# Allegro board AB9.brd (continued)
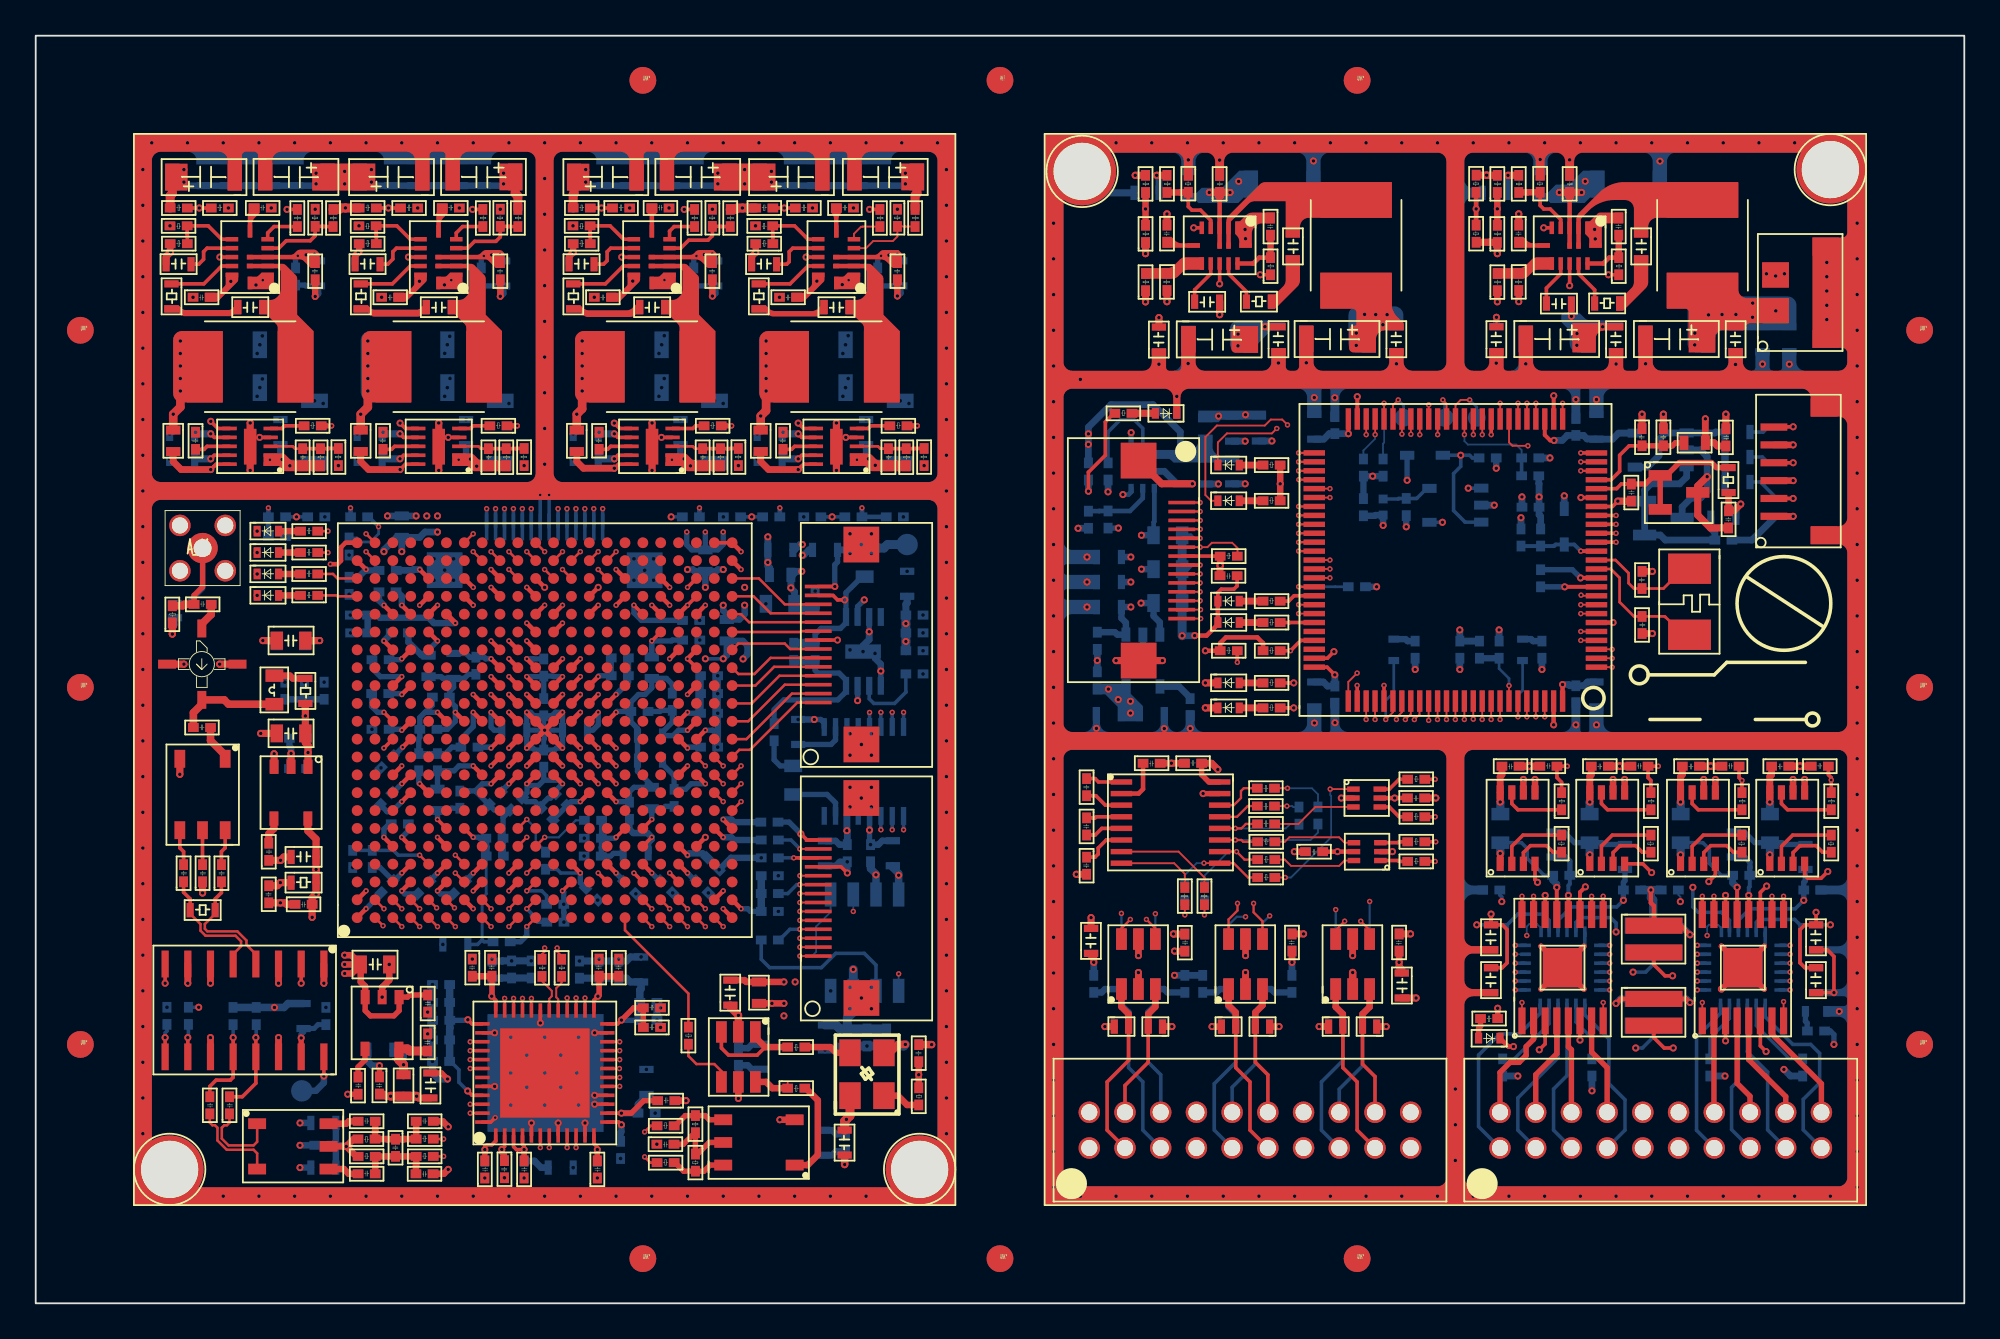
[diagram p0: board, top side]
## Footprints (pads in the part's own frame, mm; a bottom-side part is the same pattern mirrored in y, then rotated)
C0402
  rect 0.6x0.5 smd: 1(0.01,0.25) 2(0.97,0.25)
C0603
  rect 0.4x0.8 smd: 1(0.1,0.4) 2(1.5,0.4)
C0805
  rect 0.7x1 smd: 1(0.2,0.62) 2(1.8,0.62)
C1206
  rect 0.8x1.5 smd: 1(-0.15,0.79) 2(3.35,0.79)
CD54-IND-2P
  rect 2x4 smd: 1(0,2.54) 2(5.08,2.54)
CRY5032
  rect 1.7x2.4 smd: 1(0.66,1.51) 2(4.36,1.51)
DF1006
  rect 0.4x0.8 smd: 1(0.1,0.3) 2(0.9,0.3)
ERA-2SM
  rect 1x0.5 smd: 1(-2,0) 3(2,0)
  rect 0.5x1 smd: 2(0,-1.945) 4(0,2)
FB0402
  rect 0.5x0.5 smd: 1(0.05,0.24) 2(0.95,0.24)
FB0603
  rect 0.5x0.8 smd: 1(0.2,0.4) 2(1.4,0.4)
FBGA-484
  round 0.6 smd: A1(0,0) A2(1,0) A3(2,0) A4(3,0) A5(4,0) A6(5,0) A7(6,0) A8(7,0) A9(8,0) A10(9,0) A11(10,0) A12(11,0) A13(12,0) A14(13,0) A15(14,0) A16(15,0) A17(16,0) A18(17,0) A19(18,0) A20(19,0) A21(20,0) A22(21,0) AA1(0,-20) AA2(1,-20) AA3(2,-20) AA4(3,-20) AA5(4,-20) AA6(5,-20) AA7(6,-20) AA8(7,-20) AA9(8,-20) AA10(9,-20) AA11(10,-20) AA12(11,-20) AA13(12,-20) AA14(13,-20) AA15(14,-20) AA16(15,-20) AA17(16,-20) AA18(17,-20) AA19(18,-20) AA20(19,-20) AA21(20,-20) AA22(21,-20) AB1(0,-21) AB2(1,-21) AB3(2,-21) AB4(3,-21) AB5(4,-21) AB6(5,-21) AB7(6,-21) AB8(7,-21) AB9(8,-21) AB10(9,-21) AB11(10,-21) AB12(11,-21) AB13(12,-21) AB14(13,-21) AB15(14,-21) AB16(15,-21) AB17(16,-21) AB18(17,-21) AB19(18,-21) AB20(19,-21) AB21(20,-21) AB22(21,-21) B1(0,-1) B2(1,-1) B3(2,-1) B4(3,-1) B5(4,-1) B6(5,-1) B7(6,-1) B8(7,-1) B9(8,-1) B10(9,-1) B11(10,-1) B12(11,-1) B13(12,-1) B14(13,-1) B15(14,-1) B16(15,-1) B17(16,-1) B18(17,-1) B19(18,-1) B20(19,-1) B21(20,-1) B22(21,-1) C1(0,-2) C2(1,-2) C3(2,-2) C4(3,-2) C5(4,-2) C6(5,-2) C7(6,-2) C8(7,-2) C9(8,-2) C10(9,-2) C11(10,-2) C12(11,-2) C13(12,-2) C14(13,-2) C15(14,-2) C16(15,-2) C17(16,-2) C18(17,-2) C19(18,-2) C20(19,-2) C21(20,-2) C22(21,-2) D1(0,-3) D2(1,-3) D3(2,-3) D4(3,-3) D5(4,-3) D6(5,-3) D7(6,-3) D8(7,-3) D9(8,-3) D10(9,-3) D11(10,-3) D12(11,-3) D13(12,-3) D14(13,-3) D15(14,-3) D16(15,-3) D17(16,-3) D18(17,-3) D19(18,-3) D20(19,-3) D21(20,-3) D22(21,-3) E1(0,-4) E2(1,-4) E3(2,-4) E4(3,-4) E5(4,-4) E6(5,-4) E7(6,-4) E8(7,-4) E9(8,-4) E10(9,-4) E11(10,-4) E12(11,-4) E13(12,-4) E14(13,-4) E15(14,-4) E16(15,-4) E17(16,-4) E18(17,-4) E19(18,-4) E20(19,-4) E21(20,-4) E22(21,-4) F1(0,-5) F2(1,-5) F3(2,-5) F4(3,-5) F5(4,-5) F6(5,-5) F7(6,-5) F8(7,-5) F9(8,-5) F10(9,-5) F11(10,-5) F12(11,-5) F13(12,-5) F14(13,-5) F15(14,-5) F16(15,-5) F17(16,-5) F18(17,-5) F19(18,-5) F20(19,-5) F21(20,-5) F22(21,-5) G1(0,-6) G2(1,-6) G3(2,-6) G4(3,-6) G5(4,-6) G6(5,-6) G7(6,-6) G8(7,-6) G9(8,-6) G10(9,-6) G11(10,-6) G12(11,-6) G13(12,-6) G14(13,-6) G15(14,-6) G16(15,-6) G17(16,-6) G18(17,-6) G19(18,-6) G20(19,-6) G21(20,-6) G22(21,-6) H1(0,-7) H2(1,-7) H3(2,-7) H4(3,-7) H5(4,-7) H6(5,-7) H7(6,-7) H8(7,-7) H9(8,-7) H10(9,-7) H11(10,-7) H12(11,-7) H13(12,-7) H14(13,-7) H15(14,-7) H16(15,-7) H17(16,-7) H18(17,-7) H19(18,-7) H20(19,-7) H21(20,-7) H22(21,-7) J1(0,-8) J2(1,-8) J3(2,-8) J4(3,-8) J5(4,-8) J6(5,-8) J7(6,-8) J8(7,-8) J9(8,-8) J10(9,-8) J11(10,-8) J12(11,-8) J13(12,-8) J14(13,-8) J15(14,-8) J16(15,-8) J17(16,-8) J18(17,-8) J19(18,-8) J20(19,-8) J21(20,-8) J22(21,-8) K1(0,-9) K2(1,-9) K3(2,-9) K4(3,-9) K5(4,-9) K6(5,-9) K7(6,-9) K8(7,-9) K9(8,-9) K10(9,-9) K11(10,-9) K12(11,-9) K13(12,-9) K14(13,-9) K15(14,-9) K16(15,-9) K17(16,-9) K18(17,-9) K19(18,-9) K20(19,-9) K21(20,-9) K22(21,-9) L1(0,-10) L2(1,-10) L3(2,-10) L4(3,-10) L5(4,-10) L6(5,-10) L7(6,-10) L8(7,-10) L9(8,-10) L10(9,-10) L11(10,-10) L12(11,-10) L13(12,-10) L14(13,-10) L15(14,-10) L16(15,-10) L17(16,-10) L18(17,-10) L19(18,-10) L20(19,-10) L21(20,-10) L22(21,-10) M1(0,-11) M2(1,-11) M3(2,-11) M4(3,-11) M5(4,-11) M6(5,-11) M7(6,-11) M8(7,-11) M9(8,-11) M10(9,-11) M11(10,-11) M12(11,-11) M13(12,-11) M14(13,-11) M15(14,-11) M16(15,-11) M17(16,-11) M18(17,-11) M19(18,-11) M20(19,-11) M21(20,-11) M22(21,-11) N1(0,-12) N2(1,-12) N3(2,-12) N4(3,-12) N5(4,-12) N6(5,-12) N7(6,-12) N8(7,-12) N9(8,-12) N10(9,-12) N11(10,-12) N12(11,-12) N13(12,-12) N14(13,-12) N15(14,-12) N16(15,-12) N17(16,-12) N18(17,-12) N19(18,-12) N20(19,-12) N21(20,-12) N22(21,-12) P1(0,-13) P2(1,-13) P3(2,-13) P4(3,-13) P5(4,-13) P6(5,-13) P7(6,-13) P8(7,-13) P9(8,-13) P10(9,-13) P11(10,-13) P12(11,-13) P13(12,-13) P14(13,-13) P15(14,-13) P16(15,-13) P17(16,-13) P18(17,-13) P19(18,-13) P20(19,-13) P21(20,-13) P22(21,-13) R1(0,-14) R2(1,-14) R3(2,-14) R4(3,-14) R5(4,-14) R6(5,-14) R7(6,-14) R8(7,-14) R9(8,-14) R10(9,-14) R11(10,-14) R12(11,-14) R13(12,-14) R14(13,-14) R15(14,-14) R16(15,-14) R17(16,-14) R18(17,-14) R19(18,-14) R20(19,-14) R21(20,-14) R22(21,-14) T1(0,-15) T2(1,-15) T3(2,-15) T4(3,-15) T5(4,-15) T6(5,-15) T7(6,-15) T8(7,-15) T9(8,-15) T10(9,-15) T11(10,-15) T12(11,-15) T13(12,-15) T14(13,-15) T15(14,-15) T16(15,-15) T17(16,-15) T18(17,-15) T19(18,-15) T20(19,-15) T21(20,-15) T22(21,-15) U1(0,-16) U2(1,-16) U3(2,-16) U4(3,-16) U5(4,-16) U6(5,-16) U7(6,-16) U8(7,-16) U9(8,-16) U10(9,-16) U11(10,-16) U12(11,-16) U13(12,-16) U14(13,-16) U15(14,-16) U16(15,-16) U17(16,-16) U18(17,-16) U19(18,-16) U20(19,-16) U21(20,-16) U22(21,-16) V1(0,-17) V2(1,-17) V3(2,-17) V4(3,-17) V5(4,-17) V6(5,-17) V7(6,-17) V8(7,-17) V9(8,-17) V10(9,-17) V11(10,-17) V12(11,-17) V13(12,-17) V14(13,-17) V15(14,-17) V16(15,-17) V17(16,-17) V18(17,-17) V19(18,-17) V20(19,-17) V21(20,-17) V22(21,-17) W1(0,-18) W2(1,-18) W3(2,-18) W4(3,-18) W5(4,-18) W6(5,-18) W7(6,-18) W8(7,-18) W9(8,-18) W10(9,-18) W11(10,-18) W12(11,-18) W13(12,-18) W14(13,-18) W15(14,-18) W16(15,-18) W17(16,-18) W18(17,-18) W19(18,-18) W20(19,-18) W21(20,-18) W22(21,-18) Y1(0,-19) Y2(1,-19) Y3(2,-19) Y4(3,-19) Y5(4,-19) Y6(5,-19) Y7(6,-19) Y8(7,-19) Y9(8,-19) Y10(9,-19) Y11(10,-19) Y12(11,-19) Y13(12,-19) Y14(13,-19) Y15(14,-19) Y16(15,-19) Y17(16,-19) Y18(17,-19) Y19(18,-19) Y20(19,-19) Y21(20,-19) Y22(21,-19)
FPC-14P-0D5
  rect 0.2x1.5 smd: 1(-3.251,3.479) 2(-2.751,3.479) 3(-2.251,3.479) 4(-1.751,3.479) 5(-1.251,3.479) 6(-0.751,3.479) 7(-0.251,3.479) 8(0.249,3.479) 9(0.749,3.479) 10(1.249,3.479) 11(1.749,3.479) 12(2.249,3.479) 13(2.749,3.479) 14(3.249,3.479)
  rect 2x2 smd: M1(-5.6,1.06) M2(5.6,1.066)
HTSSOP-16
  rect 1.5x0.4 smd: 1(-2.98,2.27) 2(-2.98,1.62) 3(-2.98,0.97) 4(-2.98,0.32) 5(-2.98,-0.33) 6(-2.98,-0.98) 7(-2.98,-1.63) 8(-2.98,-2.28) 9(2.97,-2.28) 10(2.97,-1.63) 11(2.97,-0.98) 12(2.97,-0.33) 13(2.97,0.32) 14(2.97,0.97) 15(2.97,1.62) 16(2.97,2.27)
  rect 2.2x2.2 smd: 17(0,0)
L0805
  rect 0.7x1 smd: 1(0.2,0.62) 2(1.8,0.62)
LED0402
  rect 0.4x0.6 smd: 1(-0.1,0.25) 2(1.1,0.25)
LQFP-100
  rect 0.3x1.2 smd: 1(-6.003,-7.901) 2(-5.503,-7.901) 3(-5.003,-7.901) 4(-4.503,-7.901) 5(-4.003,-7.901) 6(-3.503,-7.901) 7(-3.003,-7.901) 8(-2.503,-7.901) 9(-2.003,-7.901) 10(-1.503,-7.901) 11(-1.003,-7.901) 12(-0.503,-7.901) 13(-0.003,-7.901) 14(0.497,-7.901) 15(0.997,-7.901) 16(1.497,-7.901) 17(1.997,-7.901) 18(2.497,-7.901) 19(2.997,-7.901) 20(3.497,-7.901) 21(3.997,-7.901) 22(4.497,-7.901) 23(4.997,-7.901) 24(5.497,-7.901) 25(5.997,-7.901) 51(5.998,7.901) 52(5.498,7.901) 53(4.998,7.901) 54(4.498,7.901) 55(3.998,7.901) 56(3.498,7.901) 57(2.998,7.901) 58(2.498,7.901) 59(1.998,7.901) 60(1.498,7.901) 61(0.998,7.901) 62(0.498,7.901) 63(-0.002,7.901) 64(-0.502,7.901) 65(-1.002,7.901) 66(-1.502,7.901) 67(-2.002,7.901) 68(-2.502,7.901) 69(-3.002,7.901) 70(-3.502,7.901) 71(-4.002,7.901) 72(-4.502,7.901) 73(-5.002,7.901) 74(-5.502,7.901) 75(-6.002,7.901)
  rect 1.2x0.3 smd: 26(7.9,-6.007) 27(7.9,-5.507) 28(7.9,-5.007) 29(7.9,-4.507) 30(7.9,-4.007) 31(7.9,-3.507) 32(7.9,-3.007) 33(7.9,-2.507) 34(7.9,-2.007) 35(7.9,-1.507) 36(7.9,-1.007) 37(7.9,-0.507) 38(7.9,-0.007) 39(7.9,0.493) 40(7.9,0.993) 41(7.9,1.493) 42(7.9,1.993) 43(7.9,2.493) 44(7.9,2.993) 45(7.9,3.493) 46(7.9,3.993) 47(7.9,4.493) 48(7.9,4.993) 49(7.9,5.493) 50(7.9,5.993) 76(-7.902,5.997) 77(-7.902,5.497) 78(-7.902,4.997) 79(-7.902,4.497) 80(-7.902,3.997) 81(-7.902,3.497) 82(-7.902,2.997) 83(-7.902,2.497) 84(-7.902,1.997) 85(-7.902,1.497) 86(-7.902,0.997) 87(-7.902,0.497) 88(-7.902,-0.003) 89(-7.902,-0.503) 90(-7.902,-1.003) 91(-7.902,-1.503) 92(-7.902,-2.003) 93(-7.902,-2.503) 94(-7.902,-3.003) 95(-7.902,-3.503) 96(-7.902,-4.003) 97(-7.902,-4.503) 98(-7.902,-5.003) 99(-7.902,-5.503) 100(-7.902,-6.003)
MSOP-8
  rect 0.4x0.8 smd: 1(0.63,0.58) 2(1.28,0.58) 3(1.93,0.58) 4(2.58,0.58) 5(2.58,4.58) 6(1.93,4.58) 7(1.28,4.58) 8(0.63,4.58)
MSOP-8-PAD
  rect 0.35x1 smd: 1(-0.001,-3.615) 2(0.649,-3.615) 3(1.299,-3.615) 4(1.949,-3.615) 5(1.949,0.241) 6(1.299,0.241) 7(0.649,0.241) 8(-0.001,0.241)
  rect 2x0.8 smd: 9(0.995,-1.694)
PHB2D0MM-2X10P-VER
  round 1.2 hole 0.9: 1(0,-2) 2(2,-2) 3(4,-2) 4(6,-2) 5(8,-2) 6(10,-2) 7(12,-2) 8(14,-2) 9(16,-2) 10(18,-2) 11(18,0) 12(16,0) 13(14,0) 14(12,0) 15(10,0) 16(8,0) 17(6,0) 18(4,0) 19(2,0) 20(0,0)
QFN-14
  rect 0.7x0.25 smd: 1(-0.99,1) 2(-0.99,0.5) 3(-0.99,0) 4(-0.99,-0.5) 5(-0.99,-1) 7(1.01,-1) 8(1.01,-0.5) 9(1.01,0) 10(1.01,0.5) 11(1.01,1)
  rect 0.25x0.7 smd: 6(0,-1.45) 12(0,1.45)
  rect 0.35x0.25 smd: 13(0,0.5) 14(0,0)
QFN-48
  rect 0.8x0.2 smd: 1(-3.5,2.75) 2(-3.5,2.25) 3(-3.5,1.75) 4(-3.5,1.25) 5(-3.5,0.75) 6(-3.5,0.25) 7(-3.5,-0.25) 8(-3.5,-0.75) 9(-3.5,-1.25) 10(-3.5,-1.75) 11(-3.5,-2.25) 12(-3.5,-2.75) 25(3.5,-2.75) 26(3.5,-2.25) 27(3.5,-1.75) 28(3.5,-1.25) 29(3.5,-0.75) 30(3.5,-0.25) 31(3.5,0.25) 32(3.5,0.75) 33(3.5,1.25) 34(3.5,1.75) 35(3.5,2.25) 36(3.5,2.75)
  rect 0.2x0.8 smd: 13(-2.75,-3.5) 14(-2.25,-3.5) 15(-1.75,-3.5) 16(-1.25,-3.5) 17(-0.75,-3.5) 18(-0.25,-3.5) 19(0.25,-3.5) 20(0.75,-3.5) 21(1.25,-3.5) 22(1.75,-3.5) 23(2.25,-3.5) 24(2.75,-3.5) 37(2.75,3.5) 38(2.25,3.5) 39(1.75,3.5) 40(1.25,3.5) 41(0.75,3.5) 42(0.25,3.5) 43(-0.25,3.5) 44(-0.75,3.5) 45(-1.25,3.5) 46(-1.75,3.5) 47(-2.25,3.5) 48(-2.75,3.5)
  rect 5x5 smd: 49(0,0)
R0402
  rect 0.6x0.5 smd: 1(0.01,0.25) 2(0.97,0.25)
R0603
  rect 0.4x0.8 smd: 1(0.1,0.4) 2(1.5,0.4)
R3216
  rect 3.2x0.9 smd: 1(1.62,1.95) 2(1.62,0.45)
SCREW-M3
  round 3.8 hole 3.2 unplated: (0,0)
SH1D0-SMD-VER-4P
  rect 0.4x1.5 smd: 1(1.5,3.47) 2(2.5,3.47) 3(3.5,3.47) 4(4.5,3.47)
  rect 1x1.5 smd: M1(0.42,0.65) M2(5.59,0.65)
SH1D0-SMD-VER-6P
  rect 0.4x1.5 smd: 1(1.48,3.46) 2(2.48,3.46) 3(3.48,3.46) 4(4.48,3.46) 5(5.48,3.46) 6(6.48,3.46)
  rect 1x1.5 smd: M1(0.42,0.65) M2(7.57,0.65)
SM-22
  rect 0.6x1 smd: 1(0.64,-0.1) 2(3.18,-0.1) 3(3.18,3.9) 4(1.91,3.9) 5(0.64,3.9)
SMA
  round 1.2 hole 0.9: 1(-1.27,-1.27) 2(1.27,-1.27) 3(1.27,1.27) 4(-1.27,1.27)
  round 1.7 hole 1: 5(0,0)
SO-8
  rect 0.65x1.35 smd: 1(0,-5.4) 2(1.27,-5.4) 3(2.54,-5.4) 4(3.81,-5.4) 5(3.81,0) 6(2.54,0) 7(1.27,0) 8(0,0)
SO-16
  rect 0.4x1.5 smd: 1(-4.437,-2.605) 2(-3.167,-2.605) 3(-1.897,-2.605) 4(-0.627,-2.605) 5(0.643,-2.605) 6(1.913,-2.605) 7(3.183,-2.605) 8(4.453,-2.605) 9(4.453,2.595) 10(3.183,2.595) 11(1.913,2.595) 12(0.643,2.595) 13(-0.627,2.595) 14(-1.897,2.595) 15(-3.167,2.595) 16(-4.437,2.595)
SOD-523F
  rect 0.5x0.8 smd: 1(0,0) 2(0,-2)
SOT-6
  rect 0.7x0.3 smd: 1(0,0) 2(0,-0.5) 3(0,-1) 4(1.48,-1) 5(1.48,-0.5) 6(1.48,0)
SOT-23-3
  rect 1.3x0.6 smd: 1(0.3,2.47) 2(0.3,0.57) 3(2.4,1.52)
SOT-23-5
  rect 0.5x0.8 smd: 1(-0.95,-1.45) 2(0,-1.45) 3(0.95,-1.45) 4(0.96,1.45) 5(-0.94,1.45)
SOT-23-6
  rect 1.2x0.6 smd: 1(0,0) 2(0,-0.95) 3(0,-1.9) 4(2.8,-1.9) 5(2.8,-0.95) 6(2.8,0)
SSOP-16
  rect 1x0.3 smd: 1(0.6,4.7) 2(0.6,4.065) 3(0.6,3.43) 4(0.6,2.795) 5(0.6,2.16) 6(0.6,1.525) 7(0.6,0.89) 8(0.6,0.255) 9(5.58,0.255) 10(5.58,0.89) 11(5.58,1.525) 12(5.58,2.16) 13(5.58,2.795) 14(5.58,3.43) 15(5.58,4.065) 16(5.58,4.7)
TP_SMD_CIR_1D0
  round 1 smd: 1(0,0)
TP_SMD_CIR_1D2
  round 1.2 smd: 1(0,0)
TSSOP-16
  rect 0.3x1.2 smd: 1(0,-5.5) 2(0.65,-5.5) 3(1.3,-5.5) 4(1.95,-5.5) 5(2.6,-5.5) 6(3.25,-5.5) 7(3.9,-5.5) 8(4.55,-5.5) 9(4.55,0) 10(3.9,0) 11(3.25,0) 12(2.6,0) 13(1.95,0) 14(1.3,0) 15(0.65,0) 16(0,0)
TSX-3225-4P
  rect 1.5x1.2 smd: 1(0.43,0.3) 2(2.83,0.3) 3(2.83,2.2) 4(0.43,2.2)
unnamed#2
  round 1.5 smd: (0,0)
VQFN-24
  rect 0.6x0.2 smd: 1(-2.03,1.25) 2(-2.03,0.75) 3(-2.03,0.25) 4(-2.03,-0.25) 5(-2.03,-0.75) 6(-2.03,-1.25) 13(2.01,-1.2) 14(2.01,-0.75) 15(2.01,-0.25) 16(2.01,0.25) 17(2.01,0.75) 18(2.01,1.25)
  rect 0.2x0.6 smd: 7(-1.25,-2.07) 8(-0.75,-2.07) 9(-0.25,-2.07) 10(0.25,-2.07) 11(0.75,-2.07) 12(1.25,-2.07) 19(1.25,2.07) 20(0.75,2.07) 21(0.25,2.07) 22(-0.25,2.07) 23(-0.75,2.07) 24(-1.25,2.07)
  rect 2.2x2.2 smd: 25(0,0)
WSON-6
  rect 0.5x0.3 smd: 1(-0.952,0.648) 2(-0.952,-0.002) 3(-0.952,-0.652) 4(0.948,-0.652) 5(0.948,-0.002) 6(0.948,0.648)
  rect 0.65x1.35 smd: 7(0,0)
WSON-10
  rect 0.8x0.2 smd: 1(0,0) 2(0,-0.5) 3(0,-1) 4(0,-1.5) 5(0,-2) 6(2.3,-2) 7(2.3,-1.5) 8(2.3,-1) 9(2.3,-0.5) 10(2.3,0)
  rect 0.7x2 smd: 11(1.15,-0.98)

## Nets
A_1V2_FPGA: A_C36.1 A_C112.2 A_C116.2 A_L15.2 A_R36.1 A_R43.1 A_U8.1 A_U8.2
A_2V0_FPGA: A_C120.2 A_C124.2 A_L8.2 A_U8.6(\SS_CTRL\) A_U8.7 A_U8.9 A_U8.10
A_2V0_FPGA_PWR: A_C16.1 A_C104.2 A_C108.2 A_L4.2 A_L8.1 A_R28.2
A_2V5_FPGA: A_C35.1 A_C113.2 A_C117.2 A_L13.1 A_R35.1 A_R41.1 A_U7.1 A_U7.2
A_3V3_BUCK_2V5: A_C15.1 A_C105.2 A_C109.2 A_L3.2 A_L7.1 A_R27.2
A_3V3_BUCK_2V5_IN: A_C121.2 A_C125.2 A_L7.2 A_U7.6(\SS_CTRL\) A_U7.7 A_U7.9 A_U7.10
A_3V3_FPGA: A_C34.1 A_C114.2 A_C118.2 A_L12.1 A_R34.1 A_R39.1 A_U6.1 A_U6.2
A_3V3_IF: A_C42.2 A_C47.2 A_R51.2 A_R88.2 A_R89.2 A_R90.2 A_U10.5(\OUT\)
A_4V0_BUCK_3V3: A_C122.2 A_C126.2 A_L6.2 A_U6.6(\SS_CTRL\) A_U6.7 A_U6.9 A_U6.10
A_4V0_BUCK_3V3_PWR: A_C14.1 A_C106.2 A_C110.2 A_L2.2 A_L6.1 A_R26.2
A_5V5_BUCK_5V_IN: A_C123.2 A_C127.2 A_L5.2 A_U5.6(\SS_CTRL\) A_U5.7 A_U5.9 A_U5.10
A_5V5_BUCK_5V_PWR: A_C13.1 A_C107.2 A_C111.2 A_L1.2 A_L5.1 A_R25.2
A_5V_FPGA: A_C33.1 A_C38.2 A_C40.2 A_C48.2 A_C54.2 A_C115.2 A_C119.2 A_C130.2 A_C145.2 A_C156.2 A_C157.2 A_C158.2 A_C172.2 A_C180.2 A_L14.1 A_R33.1 A_R37.1 A_R50.2 A_U5.1 A_U5.2 A_U10.1 A_U10.3 A_U12.1 A_U12.3
A_A_DEMP: A_U9.Y10 A_U16.13
A_A_FMT: A_U9.AA10 A_U16.15
A_A_MUTE: A_U9.AB9 A_U16.14
A_AD0: A_U9.Y2 A_U14.18
A_AD1: A_U9.Y1 A_U14.19
A_AD2: A_U9.W2 A_U14.20
A_AD3: A_U9.W1 A_U14.21
A_AD4: A_U9.V2 A_U14.22
A_AD5: A_U9.V1 A_U14.26
A_AD6: A_U9.U2 A_U14.27
A_AD7: A_U9.U1 A_U14.28
A_AD8: A_U9.H2 A_U14.32
A_AD9: A_U9.H1 A_U14.33
A_AD10: A_U9.F2 A_U14.34
A_AD11: A_U9.F1 A_U14.35
A_AD12: A_U9.E1 A_U14.39
A_AD13: A_U9.D2 A_U14.40
A_AD14: A_U9.C2 A_U14.41
A_AD15: A_U9.C1 A_U14.42
A_AD_CLKN: A_R54.2 A_U9.G3
A_AD_CLKP: A_R53.2 A_U9.G4
A_AD_DITH: A_U9.AA1 A_U14.17
A_AD_PGA: A_U9.B1 A_U14.47
A_AD_RAND: A_U9.B2 A_U14.46
A_ADC_3V3: A_C60.2 A_C61.2 A_C62.2 A_C70.2 A_C72.2 A_C73.2 A_C237.2 A_C238.2 A_C243.2 A_C244.2 A_C246.2 A_C247.2 A_C248.2 A_L11.2 A_U14.1 A_U14.3 A_U14.4(\VDD#4\) A_U14.12 A_U14.13 A_U14.14
A_AIN+: A_R62.1 A_U14.6
A_AIN-: A_R64.1 A_U14.7
A_ASDO: A_J3.1 A_U9.D1 A_U17.5
A_AUDIO_5V: A_C133.1 A_C136.2 A_C137.2 A_C138.2 A_C141.2 A_C146.2 A_C196.1 A_C197.2 A_L14.2 A_U15.3 A_U15.6 A_U16.6
A_AUDIO_OUT: A_C131.2 A_J2.14 A_R76.2 A_TP3.1(\TP\)
A_CLK2FPGA: A_R55.2 A_U9.T1
A_CLK_3V3: A_C58.2 A_C67.2 A_C234.2 A_C235.2 A_C240.2 A_C241.2 A_L10.2 A_R58.2 A_U13.5(\VCC\) A_Y1.4(\VCC\)
A_CLKO+: A_R53.1 A_U14.30
A_CLKO-: A_R54.1 A_U14.29
A_CONF_DONE: A_J3.13 A_R80.1 A_U9.M18
A_DATA0: A_J3.4 A_R86.1 A_U9.K1
A_DCLK: A_J3.3 A_U9.K2 A_U17.6
A_ENC+: A_R65.2 A_U14.9
A_ENC-: A_R60.2 A_U14.10
A_FPGA_RST_ARM: A_J2.4 A_U9.AB13
A_FPGA_RST_MCU: A_J2.5 A_U9.AB14
A_FPGA_SPI_CS: A_J2.12 A_U9.AB20
A_FPGA_SPI_MISO: A_J2.10 A_U9.AB18
A_FPGA_SPI_MOSI: A_J2.9 A_U9.AB17
A_FPGA_SPI_SCLK: A_J2.11 A_U9.AB19
A_FPGA_UART2_RXD: A_J2.6 A_U9.AB15
A_FPGA_UART2_TXD: A_J2.7 A_U9.AB16
A_FPGA_UART_RXD: A_J2.2 A_U9.AB11
A_FPGA_UART_TXD: A_J2.1 A_U9.AB10
A_GND: A_A1.2 A_A1.4 A_C1.1 A_C2.1 A_C3.1 A_C4.1 A_C5.1 A_C6.1 A_C7.1 A_C8.1 A_C9.1 A_C10.1 A_C11.1 A_C12.1 A_C17.2 A_C18.2 A_C19.2 A_C20.2 A_C21.1 A_C22.1 A_C23.1 A_C24.1 A_C29.1 A_C30.1 A_C31.1 A_C32.1 A_C38.1 A_C40.1 A_C41.1 A_C42.1 A_C44.1 A_C46.2 A_C47.1 A_C48.1 A_C49.1 A_C50.1 A_C51.1 A_C52.1 A_C53.1 A_C54.1 A_C55.1 A_C56.1 A_C57.1 A_C58.1 A_C59.1 A_C60.1 A_C61.1 A_C62.1 A_C66.1 A_C67.1 A_C68.1 A_C70.1 A_C71.2 A_C72.1 A_C73.1 A_C75.2 A_C76.1 A_C77.1 A_C78.1 A_C79.1 A_C80.1 A_C81.1 A_C82.1 A_C83.1 A_C84.1 A_C85.1 A_C86.1 A_C87.1 A_C88.1 A_C89.1 A_C90.1 A_C91.1 A_C92.1 A_C93.1 A_C94.1 A_C95.1 A_C96.1 A_C97.1 A_C98.1 A_C99.1 A_C100.2 A_C101.2 A_C102.2 A_C103.2 A_C104.1 A_C105.1 A_C106.1 A_C107.1 A_C108.1 A_C109.1 A_C110.1 A_C111.1 A_C112.1 A_C113.1 A_C114.1 A_C115.1 A_C116.1 A_C117.1 A_C118.1 A_C119.1 A_C120.1 A_C121.1 A_C122.1 A_C123.1 A_C124.1 A_C125.1 A_C126.1 A_C127.1 A_C128.1 A_C129.1 A_C130.1 A_C132.1 A_C133.2 A_C134.1 A_C135.1 A_C136.1 A_C137.1 A_C138.1 A_C139.1 A_C140.2 A_C141.1 A_C142.1 A_C143.2 A_C144.1 A_C145.1 A_C146.1 A_C148.1 A_C149.2 A_C150.1 A_C151.1 A_C152.1 A_C153.1 A_C154.1 A_C155.1 A_C156.1 A_C157.1 A_C158.1 A_C159.1 A_C160.1 A_C161.1 A_C162.1 A_C163.1 A_C164.1 A_C165.1 A_C166.1 A_C167.2 A_C168.1 A_C169.1 A_C170.1 A_C171.1 A_C172.1 A_C173.1 A_C174.1 A_C175.1 A_C176.1 A_C177.2 A_C178.1 A_C179.1 A_C180.1 A_C182.1 A_C183.1 A_C184.1 A_C185.1 A_C186.1 A_C187.1 A_C188.1 A_C189.1 A_C190.1 A_C191.1 A_C192.2 A_C193.2 A_C194.1 A_C195.1 A_C196.2 A_C197.1 A_C198.1 A_C199.1 A_C200.1 A_C201.2 A_C202.1 A_C203.1 A_C204.1 A_C205.1 A_C206.1 A_C207.2 A_C208.2 A_C209.1 A_C210.1 A_C211.1 A_C212.1 A_C213.1 A_C214.1 A_C215.2 A_C216.2 A_C217.2 A_C218.1 A_C219.1 A_C220.2 A_C221.1 A_C222.1 A_C223.1 A_C224.2 A_C226.1 A_C227.2 A_C228.1 A_C229.1 A_C230.1 A_C231.1 A_C232.1 A_C233.1 A_C234.1 A_C235.1 A_C236.1 A_C237.1 A_C238.1 A_C239.2 A_C240.1 A_C241.1 A_C242.2 A_C243.1 A_C244.1 A_C245.2 A_C246.1 A_C247.1 A_C248.1 A_D1.1(\CATHODE\) A_D2.1(\CATHODE\) A_D3.1(\CATHODE\) A_D4.1(\CATHODE\) A_D5.1 A_J1.1 A_J1.2 A_J1.3 A_J1.4 A_J2.8 A_J2.13 A_J2.M1 A_J2.M2(\M2\) A_J3.11 A_J3.M1 A_J3.M2(\M2\) A_J4.7 A_J4.8 A_J4.M1 A_J4.M2(\M2\) A_R2.1 A_R4.1 A_R6.1 A_R8.1 A_R10.1 A_R13.1 A_R16.1 A_R19.1 A_R21.1 A_R22.1 A_R23.1 A_R24.1 A_R38.2 A_R40.2 A_R42.2 A_R44.2 A_R49.1 A_R68.1 A_R70.1 A_R73.1 A_R75.1 A_R76.1 A_R84.2 A_R85.1 A_R91.1 A_T1.2 A_T2.2 A_U1.1 A_U1.12 A_U2.1 A_U2.12 A_U3.1 A_U3.12 A_U4.1 A_U4.12 A_U5.4 A_U5.11 A_U6.4 A_U6.11 A_U7.4 A_U7.11 A_U8.4 A_U8.11 A_U9.A1 A_U9.A22 A_U9.AA2 A_U9.AA22 A_U9.AB1 A_U9.AB6 A_U9.AB22 A_U9.C5 A_U9.C9 A_U9.C11 A_U9.C12 A_U9.C14 A_U9.C16 A_U9.C18 A_U9.D3 A_U9.D8 A_U9.E18 A_U9.E20 A_U9.F3 A_U9.F5 A_U9.F12 A_U9.G2 A_U9.G20 A_U9.H3 A_U9.H12 A_U9.H13 A_U9.J9 A_U9.J15 A_U9.J19 A_U9.K3 A_U9.K10 A_U9.K11 A_U9.K12 A_U9.K13 A_U9.K16 A_U9.L10 A_U9.L11 A_U9.L12 A_U9.L13 A_U9.L15 A_U9.L20 A_U9.M10 A_U9.M11 A_U9.M12 A_U9.M13 A_U9.N3 A_U9.N10 A_U9.N11 A_U9.N12 A_U9.N13 A_U9.N15 A_U9.P8 A_U9.P19 A_U9.R3 A_U9.R9 A_U9.R11 A_U9.R13 A_U9.T20 A_U9.U3 A_U9.U5 A_U9.V18 A_U9.V20 A_U9.W3 A_U9.Y5 A_U9.Y9 A_U9.Y11 A_U9.Y12 A_U9.Y15 A_U9.Y16 A_U9.Y18 A_U9.Y20 A_U10.2 A_U11.1 A_U11.3 A_U11.6 A_U11.7 A_U11.11 A_U11.14 A_U12.2 A_U13.2 A_U14.5 A_U14.8 A_U14.11 A_U14.15 A_U14.16 A_U14.23 A_U14.31 A_U14.38 A_U14.44 A_U14.48 A_U14.49 A_U15.1 A_U15.7 A_U15.9 A_U16.4 A_U16.9 A_U17.4 A_Y1.2
A_I2S_BCK: A_U9.AA9 A_U16.1
A_I2S_DATA: A_U9.AB7 A_U16.2
A_I2S_LRCK: A_U9.AA8 A_U16.3
A_I2S_SCK: A_U9.AB8 A_U16.16
A_IO: A_U9.AA4
A_IO1: A_J4.1 A_U9.R21
A_IO2: A_J4.2 A_U9.R20
A_IO3: A_J4.3 A_U9.P21
A_IO4: A_J4.4 A_U9.N21
A_IO5: A_J4.5 A_U9.M21
A_IO6: A_J4.6 A_U9.N20
A_IO7: A_J4.9 A_U9.M20
A_IO8: A_J4.10 A_U9.L21
A_IO9: A_J4.11 A_U9.K21
A_IO10: A_J4.12 A_U9.J21
A_IO11: A_J4.13 A_U9.H21
A_IO12: A_J4.14 A_U9.G22
A_LDO_3V3: A_C57.2 A_C233.2 A_L11.1 A_U12.5(\OUT\)
A_LED1: A_R45.1 A_U9.B22
A_LED2: A_R46.1 A_U9.B21
A_LED3: A_R47.1 A_U9.A20
A_LED4: A_R48.1 A_U9.A19
A_MSEL0: A_R67.1 A_R68.2 A_U9.M17
A_MSEL1: A_R69.1 A_R70.2 A_U9.L18
A_MSEL2: A_R73.2 A_R74.1 A_U9.L17
A_MSEL3: A_R72.1 A_R75.2 A_U9.K20
A_N7424382: A_C147.1 A_R77.1 A_R78.2 A_U15.4
A_N7424390: A_C131.1 A_C147.2 A_R77.2 A_U15.5
A_N7424650: A_C170.2 A_U16.10
A_N7424654: A_C181.1 A_U16.7
A_N7424662: A_C181.2 A_R78.1
A_N7424742: A_C153.2 A_U15.2
A_N7454523: A_R86.2 A_U17.2
A_N7455499: A_D1.2 A_R45.2
A_N7455557: A_D2.2 A_R46.2
A_N7467286: A_C202.2 A_R81.2 A_U9.E4
A_N7498655: A_C59.2 A_U12.4
A_N7538451: A_R71.1 A_U9.L22
A_N7578107: A_C37.2 A_D5.2 A_J1.5 A_R49.2
A_N7578654: A_A1.1 A_C37.1
A_N7578935: A_A1.3(\OUT\) A_C39.2 A_L9.1
A_N7579108: A_L9.2 A_R50.1
A_N7579398: A_C39.1 A_T1.1
A_N7579484: A_C44.2 A_T1.4
A_N7579488: A_C43.2 A_T1.3
A_N7579492: A_C45.2 A_T1.5
A_N7580116: A_C46.1 A_R51.1 A_U11.2 A_U11.8
A_N7580344: A_R91.2 A_U11.9
A_N7580738: A_C225.2 A_U11.10
A_N7580852: A_C224.1 A_R88.1 A_U11.15(\VPS2\)
A_N7581076: A_C64.2 A_R89.1 A_U11.13
A_N7581083: A_C63.2 A_R90.1 A_U11.12
A_N7581273: A_C65.2 A_T3.5
A_N7581277: A_C74.2 A_T3.3
A_N7581373: A_C69.2 A_C74.1 A_C75.1 A_R63.1 A_R64.2
A_N7581387: A_C65.1 A_C66.2 A_C69.1 A_R61.2 A_R62.2
A_N7586253: A_R58.1 A_Y1.1
A_N7586496: A_R56.2 A_Y1.3
A_N7586806: A_R56.1 A_U13.1 A_U13.3
A_N7587007: A_R55.1 A_U13.4
A_N7587454: A_R57.1 A_U13.6
A_N7587591: A_R57.2 A_T2.1
A_N7587990: A_C68.2 A_R59.2 A_R66.1 A_T2.4
A_N7588005: A_R65.1 A_R66.2 A_T2.5
A_N7588017: A_R59.1 A_R60.1 A_T2.3
A_N7598294: A_C41.2 A_U10.4
A_N7921484: A_D3.2 A_R47.2
A_N8196940: A_R10.2 A_R11.1 A_U1.4
A_N8196944: A_R1.1 A_R2.2 A_U1.9
A_N8196950: A_C21.2 A_R9.2 A_U1.11
A_N8196956: A_R9.1 A_U1.5
A_N8196998: A_C9.2 A_U1.6
A_N8197004: A_R29.1 A_U1.10
A_N8197008: A_C25.1 A_L1.1 A_U1.2 A_U1.13
A_N8197018: A_C25.2 A_R29.2
A_N8197022: A_C13.2 A_U1.8
A_N8197032: A_R21.2 A_R25.1 A_U1.7
A_N8197074: A_R30.1 A_U2.10
A_N8197078: A_C26.2 A_R30.2
A_N8197098: A_C26.1 A_L2.1 A_U2.2 A_U2.13
A_N8197146: A_R13.2 A_R14.1 A_U2.4
A_N8197148: A_R3.1 A_R4.2 A_U2.9
A_N8197154: A_C14.2 A_U2.8
A_N8197166: A_R22.2 A_R26.1 A_U2.7
A_N8197176: A_C22.2 A_R12.2 A_U2.11
A_N8197182: A_C10.2 A_U2.6
A_N8197194: A_R12.1 A_U2.5
A_N8197218: A_R31.1 A_U3.10
A_N8197222: A_C27.2 A_R31.2
A_N8197242: A_C27.1 A_L3.1 A_U3.2 A_U3.13
A_N8197290: A_R16.2 A_R17.1 A_U3.4
A_N8197292: A_R5.1 A_R6.2 A_U3.9
A_N8197298: A_C15.2 A_U3.8
A_N8197310: A_R23.2 A_R27.1 A_U3.7
A_N8197320: A_C23.2 A_R15.2 A_U3.11
A_N8197326: A_C11.2 A_U3.6
A_N8197338: A_R15.1 A_U3.5
A_N8197362: A_R32.1 A_U4.10
A_N8197366: A_C28.2 A_R32.2
A_N8197386: A_C28.1 A_L4.1 A_U4.2 A_U4.13
A_N8197434: A_R19.2 A_R20.1 A_U4.4
A_N8197436: A_R7.1 A_R8.2 A_U4.9
A_N8197442: A_C16.2 A_U4.8
A_N8197454: A_R24.2 A_R28.1 A_U4.7
A_N8197464: A_C24.2 A_R18.2 A_U4.11
A_N8197470: A_C12.2 A_U4.6
A_N8197482: A_R18.1 A_U4.5
A_N9038018: A_D4.2 A_R48.2
A_N9064761: A_C32.2 A_U8.8
A_N9066094: A_C36.2 A_R43.2 A_R44.1 A_U8.3
A_N9067246: A_R36.2 A_U8.5
A_N9071462: A_C31.2 A_U7.8
A_N9071470: A_C35.2 A_R41.2 A_R42.1 A_U7.3
A_N9071570: A_R35.2 A_U7.5
A_N9073990: A_C30.2 A_U6.8
A_N9073998: A_C34.2 A_R39.2 A_R40.1 A_U6.3
A_N9074098: A_R34.2 A_U6.5
A_N9076650: A_C29.2 A_U5.8
A_N9076658: A_C33.2 A_R37.2 A_R38.1 A_U5.3
A_N9076758: A_R33.2 A_U5.5
A_NCE: A_J3.7 A_R84.1 A_U9.L3
A_NCONFIG: A_J3.9 A_R83.1 A_U9.K5
A_NCSO: A_J3.2 A_U9.E2 A_U17.1
A_NRST_FPGA: A_J2.3 A_U9.AB12
A_NSTATUS: A_R82.2 A_U9.K6
A_RSSI: A_C225.1 A_TP4.1(\TP\) A_U11.16
A_SOUTN: A_C43.1 A_R52.1 A_U11.5
A_SOUTP: A_C45.1 A_R52.2 A_U11.4
A_TCK: A_J3.5 A_R85.2 A_U9.L2
A_TDI: A_J3.10 A_R79.2 A_U9.L5
A_TDO: A_J3.8 A_U9.L4
A_TINN: A_C63.1 A_T3.2
A_TINP: A_C64.1 A_T3.1
A_TMS: A_J3.6 A_R87.2 A_U9.L1
A_VBAT_IN: A_C1.2 A_C2.2 A_C3.2 A_C4.2 A_C5.2 A_C6.2 A_C7.2 A_C8.2 A_C17.1 A_C18.1 A_C19.1 A_C20.1 A_C76.2 A_C77.2 A_C78.2 A_C79.2 A_C80.2 A_C81.2 A_C82.2 A_C83.2 A_C84.2 A_C85.2 A_C86.2 A_C87.2 A_C88.2 A_C89.2 A_C90.2 A_C91.2 A_C92.2 A_C93.2 A_C94.2 A_C95.2 A_C96.2 A_C97.2 A_C98.2 A_C99.2 A_C100.1 A_C101.1 A_C102.1 A_C103.1 A_R1.2 A_R3.2 A_R5.2 A_R7.2 A_R11.2 A_R14.2 A_R17.2 A_R20.2 A_U1.3(\VIN#3\) A_U1.14 A_U2.3(\VIN#3\) A_U2.14 A_U3.3(\VIN#3\) A_U3.14 A_U4.3(\VIN#3\) A_U4.14
A_VCCA_2V5: A_C139.2 A_C140.1 A_C143.1 A_C192.1 A_C193.1 A_C198.2 A_C199.2 A_C200.2 A_C201.1 A_C213.2 A_J3.12 A_L13.2 A_R79.1 A_R87.1 A_U9.F18 A_U9.G6 A_U9.T6 A_U9.U18
A_VCCINT_1V2: A_C148.2 A_C150.2 A_C151.2 A_C152.2 A_C155.2 A_C161.2 A_C162.2 A_C163.2 A_C164.2 A_C166.2 A_C168.2 A_C169.2 A_C171.2 A_C174.2 A_C175.2 A_C176.2 A_C178.2 A_C183.2 A_C185.2 A_C187.2 A_C188.2 A_C189.2 A_L15.1 A_L16.2 A_L17.2 A_L18.2 A_L19.2 A_U9.G12 A_U9.H9 A_U9.J10 A_U9.J11 A_U9.J12 A_U9.J13 A_U9.J14 A_U9.J16 A_U9.K9 A_U9.K14 A_U9.K15 A_U9.L9 A_U9.L14 A_U9.L16 A_U9.M9 A_U9.M14 A_U9.M15 A_U9.N9 A_U9.N14 A_U9.P9 A_U9.P10 A_U9.P11 A_U9.P12 A_U9.P13 A_U9.P14 A_U9.R8 A_U9.R10 A_U9.R12
A_VCCIO_3V3: A_C49.2 A_C50.2 A_C51.2 A_C52.2 A_C53.2 A_C55.2 A_C56.2 A_C128.2 A_C129.2 A_C132.2 A_C134.2 A_C135.2 A_C149.1 A_C154.2 A_C159.2 A_C160.2 A_C165.2 A_C167.1 A_C173.2 A_C177.1 A_C179.2 A_C184.2 A_C190.2 A_C191.2 A_C194.2 A_C195.2 A_C203.2 A_C204.2 A_C205.2 A_C206.2 A_C207.1 A_C208.1 A_C209.2 A_C210.2 A_C211.2 A_C212.2 A_C214.2 A_C215.1 A_C216.1 A_C217.1 A_C218.2 A_C219.2 A_C220.1 A_C221.2 A_C222.2 A_C223.2 A_C226.2 A_C227.1 A_C228.2 A_C229.2 A_C230.2 A_C231.2 A_C232.2 A_C236.2 A_J3.14 A_L10.1 A_L12.2 A_R67.2 A_R69.2 A_R71.2 A_R72.2 A_R74.2 A_R80.2 A_R81.1 A_R82.1 A_R83.2 A_U9.A2 A_U9.A21 A_U9.AA6 A_U9.AB2 A_U9.AB21 A_U9.D4 A_U9.D5 A_U9.D9 A_U9.D11 A_U9.D12 A_U9.D14 A_U9.D16 A_U9.D18 A_U9.E8(\VCCIO8#E8\) A_U9.E19 A_U9.F4 A_U9.G19 A_U9.H4 A_U9.J20 A_U9.K4 A_U9.L19 A_U9.N4 A_U9.P18 A_U9.R4 A_U9.T19 A_U9.U4 A_U9.V19 A_U9.W4 A_U9.W5 A_U9.W9 A_U9.W11 A_U9.W12 A_U9.W16 A_U9.W18 A_U9.Y14 A_U9.Y19 A_U14.24 A_U14.25 A_U14.36 A_U14.37 A_U14.45 A_U17.3 A_U17.7 A_U17.8(\VCC#8\)
